# KiCad board 8851_HW-U1-VCU118_REV2-0_071417.kicad_pcb (continued)
## Routing (per net, layer and track width the routed paths; a pad name or vN(x,y) marks a point on that pad's centre or on a via; arc(x,y) is an arc through that point) (continued)
FMCP_HSPC_GBTCLK4_M2C_N: length 117.1
  TOP w0.102: 107.02,99.42 106.47,99.42 106.37,99.52 106.37,102.22 106.57,102.42 v3(107.02,102.42) ; J22.L5 v3(100.25,168.25)
  07_SIG3 w0.133: v3(107.02,102.42) 106.53,102.42 106.4,102.55 106.4,102.95 107.42,103.98 107.42,109.01 108.03,109.61 108.03,125.34 109.06,126.37 109.06,130.24 104.61,134.69 104.61,138.36 103.95,139.02 102.67,139.02 101.75,138.11 98.38,138.11 96.02,140.46 91.43,140.46 79.82,152.08 79.82,169.87 79.95,170 100.51,170 100.74,169.77 100.74,168.63 100.94,168.42 100.94,168.11 100.82,167.99 100.51,167.99 v3(100.25,168.25)
FMCP_HSPC_GBTCLK4_M2C_P: length 117.1
  TOP w0.102: 105.5,99.42 106.05,99.42 106.15,99.52 106.15,102.18 105.91,102.42 v3(105.5,102.42) ; J22.L4 v3(101.5,168.25)
  07_SIG3 w0.133: v3(105.5,102.42) 105.99,102.42 106.12,102.55 106.12,103.06 107.15,104.09 107.15,109.12 107.75,109.72 107.75,125.45 108.78,126.48 108.78,130.13 104.33,134.58 104.33,138.25 103.83,138.75 102.78,138.75 101.87,137.83 98.27,137.83 95.91,140.19 91.32,140.19 79.54,151.96 79.54,169.98 79.84,170.28 100.62,170.28 101.01,169.89 101.01,168.74 v3(101.5,168.25)
FMCP_HSPC_GBTCLK5_M2C_C_N: length 47.3
  TOP w0.102: v2(126.22,82.52) 125.73,82.03
  07_SIG3 w0.092: 104.24,88.15 104.24,88.13 104.19,88.08 104.19,86.19 104.35,86.03 107.77,86.03 108.08,85.72 108.08,78.43 108.32,78.19 125.41,78.19 125.63,78.41 125.63,81.79 125.95,82.12 126.12,82.12 126.22,82.21 v2(126.22,82.52)
  07_SIG3 w0.133: v3(105.5,97.68) 105.02,97.68 104.73,97.39 104.73,89.36 104.24,88.87 104.24,88.15
  BOTTOM w0.102: 105.5,98.43 v3(105.5,97.68)
FMCP_HSPC_GBTCLK5_M2C_C_P: length 47.3
  TOP w0.102: v2(126.22,81.54) 125.73,81.05
  07_SIG3 w0.092: v2(126.22,81.54) 126.22,81.85 126.12,81.94 126.03,81.94 125.8,81.72 125.8,78.34 125.48,78.01 108.24,78.01 107.9,78.36 107.9,85.64 107.69,85.85 104.28,85.85 104.01,86.11 104.01,88.08 103.97,88.13 103.97,88.15
  07_SIG3 w0.133: v3(103.97,97.68) 104.46,97.2 104.46,89.47 103.97,88.98 103.97,88.15
  BOTTOM w0.102: 103.97,98.43 103.94,98.41 103.94,97.71 v3(103.97,97.68)
FMCP_HSPC_GBTCLK5_M2C_N: length 80.5
  TOP w0.102: J22.Z21 v3(80.25,154.5)
  07_SIG3 w0.133: v3(105.5,100.17) 105.28,100.38 104.93,100.38 104.73,100.18 104.73,99.56 104.92,99.37 105.7,99.37 106.11,99.77 106.11,100.75 107.97,102.61 107.97,106.99 108.62,107.65 108.62,124.9 109.82,126.1 109.82,130.31 105.15,134.98 105.15,138.75 104.33,139.56 102.44,139.56 101.76,138.89 98.49,138.89 96.13,141.25 91.68,141.25 80.74,152.19 80.74,154.37 80.61,154.5 v3(80.25,154.5)
  BOTTOM w0.102: 105.5,99.42 v3(105.5,100.17)
FMCP_HSPC_GBTCLK5_M2C_P: length 80.5
  TOP w0.102: J22.Z20 v3(81.5,154.5)
  07_SIG3 w0.133: v3(81.5,154.5) 81.01,154.01 81.01,152.3 91.8,141.52 96.25,141.52 98.6,139.16 101.65,139.16 102.32,139.84 104.45,139.84 105.42,138.87 105.42,135.1 110.1,130.42 110.1,125.98 108.9,124.79 108.9,107.53 108.24,106.88 108.24,102.5 106.38,100.63 106.38,99.66 105.81,99.09 104.8,99.09 104.45,99.44 104.45,99.69 v3(103.97,100.17)
  BOTTOM w0.102: 103.97,99.42 v3(103.97,100.17)
FMCP_HSPC_H_PRSNT_M2C_B: length 187.8
  TOP w0.15: v3(104,164.5) J22.H2
  05_SIG2 w0.17: v3(45.24,75.23) 40.73,79.74 40.73,87.86 36.23,92.35 36.23,98.42 32.38,102.27 28.63,102.27 24.98,105.92 24.98,110.96 25.76,111.73 25.76,112.49 25.35,112.9 25.35,117.4 v3(25.62,117.67)
  18_SIG6 w0.087: v3(25.62,117.67) 26.35,118.4 29.77,118.4 31.02,119.65 31.02,122 34.42,125.4 34.42,129.55 37.99,133.11 37.99,134.59 39.38,135.98 39.38,139.37 38.94,139.81 38.94,145.27 40.22,146.55 45.85,146.55 50.85,151.55 v3(65.05,151.55)
  20_SIG7 w0.087: v3(106.67,167.86) 106.67,166.26 105.49,165.08 104.57,165.08 v3(104,164.5) 103.38,165.12 94.97,165.12 94.65,165.45 94.65,168.55 94.35,168.85 66.38,168.85 65.88,168.35 65.88,152.38 v3(65.05,151.55)
  BOTTOM w0.15: 46.42,75.23 v3(45.24,75.23) ; 107.37,167.86 v3(106.67,167.86) ; 25.35,116.13 25.35,117.4 v3(25.62,117.67) ; 65.31,150.94 65.31,151.29 v3(65.05,151.55)
  BOTTOM w0.375: R19.2 v3(109.06,167.86)
FMCP_HSPC_H_PRSNT_M2C_B_LS: length 127.6
  TOP w0.15: 124.74,74.16 v2(125.23,74.65)
  03_SIG1 w0.17: v3(61.65,104.47) 61.13,103.96 60.31,103.96 58.05,101.7 58.05,98 57.28,97.23 57.28,94.58 55.69,92.99 53.84,92.99 46.12,85.27 46.12,84.67 45.4,83.95 42.2,83.95 41.1,82.86 41.1,76 v3(41.87,75.23)
  BOTTOM w0.111: v2(125.23,74.65) 124.84,75.04 118.73,75.04
  BOTTOM w0.15: 118.73,75.04 118.63,75.15 118.14,75.15 117.85,75.44 117.85,75.83 117.56,76.12 117.05,76.12 116.07,77.11 110.29,77.11 110.03,77.38 110.03,77.75 109.7,78.08 109.3,78.08 108.99,78.38 108.99,78.78 108.7,79.08 108.2,79.08 108.01,79.27 108.01,79.79 107.74,80.06 107.24,80.06 107.02,80.28 107.02,80.75 106.73,81.05 106.2,81.05 106.04,81.21 106.04,81.73 105.74,82.03 105.29,82.03 105.06,82.27 105.06,82.72 104.76,83.01 104.21,83.01 104.07,83.15 104.07,83.7 103.78,84 103.25,84 103.09,84.16 103.09,89.99 97.2,95.88 97.2,100.52 96.78,100.95 88.47,100.95 86.47,102.95 63.17,102.95 v3(61.65,104.47) ; 40.67,75.23 v3(41.87,75.23)
FMCP_HSPC_HA00_CC_N: length 188.5
  TOP w0.102: v2(105.55,53.98) 106.04,54.47 ; J22.F5 v3(100.25,162)
  20_SIG7 w0.075: 135.41,88.14 135.41,88.12 135.45,88.08 135.45,84.94 135.49,84.9 135.49,83.22 135.47,83.2 135.47,73.52 135.23,73.27 125.96,73.27 125.63,72.95 125.63,69.52 125.45,69.34 122.02,69.34 121.69,69.01 121.69,48.86 121.51,48.68 105.38,48.68 105.15,48.9 105.15,54.29 105.3,54.44 105.44,54.44 105.55,54.33 v2(105.55,53.98)
  20_SIG7 w0.087: v3(100.25,162) 100.44,162.19 100.74,162.19 100.97,161.95 100.97,161.5 101.21,161.27 101.81,161.27 102.26,161.72 102.26,162.19 102.57,162.49 108.76,162.49 119.48,151.77 126.16,151.77 126.6,151.33 126.6,150.7 127.23,150.07 129.34,150.07 136.81,142.6 136.81,142.56 137.41,141.96 137.41,136.65 141.26,132.8 141.85,132.8 142.39,132.25 142.39,131.7 145.22,128.88 145.22,118.15 146.49,116.88 146.49,115.64 144.3,113.45 144.3,110.65 144.58,110.37 144.58,110.22 144.17,109.82 143.1,109.82 142.32,109.04 142.32,105.59 141.54,104.81 141.54,102.51 141.16,102.12 141.16,99.31 141.07,99.22 140,99.22 139.51,98.73 139.51,96.96 138.59,96.04 138.59,91.57 135.41,88.38 135.41,88.14
FMCP_HSPC_HA00_CC_P: length 188.5
  TOP w0.102: v2(105.55,54.96) 106.04,55.46 ; J22.F4 v3(101.5,162)
  20_SIG7 w0.075: 135.69,88.14 135.69,88.12 135.65,88.08 135.65,85.02 135.68,84.98 135.68,83.14 135.66,83.12 135.66,73.44 135.31,73.08 126.04,73.08 125.82,72.87 125.82,69.44 125.53,69.14 122.1,69.14 121.88,68.93 121.88,48.78 121.59,48.49 105.3,48.49 104.96,48.82 104.96,54.37 v2(105.55,54.96) ; 138.87,91.68 138.87,91.45 136.91,89.49
  20_SIG7 w0.087: 138.87,91.68 138.87,95.93 139.79,96.85 139.79,98.62 140.11,98.94 141.18,98.94 141.43,99.19 141.43,102 141.82,102.39 141.82,104.69 142.6,105.47 142.6,108.92 143.22,109.54 144.29,109.54 144.85,110.11 144.85,110.48 144.58,110.76 144.58,113.34 146.76,115.52 146.76,116.99 145.49,118.26 145.49,128.99 142.67,131.82 142.67,132.37 141.96,133.07 141.37,133.07 137.68,136.76 137.68,142.07 137.08,142.67 137.08,142.71 129.45,150.34 127.35,150.34 126.88,150.81 126.88,151.44 126.27,152.04 119.6,152.04 108.87,162.76 102.45,162.76 101.99,162.3 101.99,161.83 101.7,161.54 101.32,161.54 101.25,161.62 101.25,161.75 v3(101.5,162) ; 136.91,89.49 135.69,88.27 135.69,88.14
FMCP_HSPC_HA01_CC_N: length 188.2
  TOP w0.102: J22.E3 v3(102.75,160.75) ; v2(109.49,55.95) 109.98,56.44
  20_SIG7 w0.075: 134.46,88.27 134.5,88.22 134.5,84.96 134.47,84.93 134.47,82.92 134.49,82.9 134.49,74.49 134.25,74.25 124.95,74.25 124.64,73.95 124.64,70.51 124.46,70.32 121.02,70.32 120.71,70.01 120.71,49.87 120.48,49.65 106.3,49.65 106.14,49.81 106.14,55.26 106.24,55.36 106.81,55.36 107.11,55.66 107.11,56.14 107.31,56.34 109.8,56.34 110.02,56.12 110.02,55.84 109.96,55.78 109.65,55.78 v2(109.49,55.95)
  20_SIG7 w0.087: 134.46,88.27 134.46,88.73 137.65,91.92 137.65,96.33 138.62,97.3 138.62,102.19 139.97,103.54 139.97,104.62 140.86,105.51 140.86,109.92 140.35,110.43 140.35,113.29 139.9,113.74 139.9,121.69 140.67,122.45 143.63,122.45 144.12,122.94 144.12,127.91 142.58,129.45 142.58,129.88 136.55,135.91 136.55,140.46 133.03,143.98 131.73,143.98 125.38,150.33 119.13,150.33 115.11,154.35 113.88,154.35 113.79,154.26 113.79,153.36 113.55,153.11 113.06,153.11 112.81,153.36 112.81,154.26 112.72,154.35 112.46,154.35 112.37,154.26 112.37,153.36 112.12,153.11 111.63,153.11 111.38,153.36 111.38,154.26 111.29,154.35 110.45,154.35 106.22,158.58 106.22,159.52 105.75,159.99 103.74,159.99 103.3,160.43 103.3,160.88 103.19,160.99 102.99,160.99 v3(102.75,160.75)
FMCP_HSPC_HA01_CC_P: length 188.4
  TOP w0.102: v3(104,160.75) J22.E2 ; v2(110.47,55.95) 110.96,56.44
  20_SIG7 w0.075: v2(110.47,55.95) 109.88,56.54 107.23,56.54 106.92,56.23 106.92,55.74 106.73,55.56 106.16,55.56 105.94,55.34 105.94,49.73 106.22,49.45 120.56,49.45 120.9,49.79 120.9,69.93 121.1,70.13 124.54,70.13 124.84,70.43 124.84,73.87 125.03,74.06 134.34,74.06 134.68,74.41 134.68,82.98 134.66,83 134.66,84.85 134.7,84.88 134.7,88.24 134.73,88.27
  20_SIG7 w0.087: 134.73,88.27 134.73,88.62 137.92,91.81 137.92,96.22 138.9,97.19 138.9,102.08 140.24,103.43 140.24,104.51 141.14,105.4 141.14,110.03 140.62,110.55 140.62,113.4 140.18,113.85 140.18,121.57 140.78,122.18 143.74,122.18 144.39,122.83 144.39,128.02 142.85,129.56 142.85,129.99 136.82,136.03 136.82,140.58 133.14,144.26 131.84,144.26 125.5,150.61 119.24,150.61 115.23,154.62 113.77,154.62 113.52,154.37 113.52,153.47 113.43,153.38 113.17,153.38 113.08,153.47 113.08,154.37 112.83,154.62 112.34,154.62 112.09,154.37 112.09,153.47 112.01,153.38 111.74,153.38 111.66,153.47 111.66,154.37 111.41,154.62 110.56,154.62 106.49,158.69 106.49,159.63 105.86,160.26 103.85,160.26 103.58,160.54 103.58,160.66 103.66,160.75 v3(104,160.75)
FMCP_HSPC_HA02_N: length 186.7
  TOP w0.102: J22.K8 v3(96.5,167) ; v2(112.44,52.99) 112.93,53.49
  18_SIG6 w0.075: 125.14,88.29 125.13,88.27 125.13,88.24 124.66,87.77 124.66,85.98 124.63,85.95 124.63,83.2 124.66,83.16 124.66,81.04 124.64,81.02 124.64,70.53 124.43,70.31 120.05,70.31 119.72,69.99 119.72,53.81 119.5,53.59 113.13,53.59 112.9,53.35 112.9,53.09 112.8,52.99 v2(112.44,52.99)
  18_SIG6 w0.087: v3(96.5,167) 96.65,167.15 96.93,167.15 96.99,167.09 96.99,162.87 97.37,162.49 98.05,162.49 98.24,162.3 98.24,152.74 99.75,151.23 109.57,151.23 109.97,151.62 109.97,154.95 109.67,155.25 108.55,155.25 108.42,155.38 108.42,155.91 108.55,156.04 109.67,156.04 109.97,156.34 109.97,159.37 108.84,160.49 108.11,160.49 108,160.6 108,163.05 108.09,163.14 109,163.14 109.13,163.01 109.13,161.92 112.42,158.64 113.8,158.64 114.5,157.94 114.5,146.54 117.11,143.92 117.11,143 117.91,142.2 117.91,142.01 117.15,141.26 117.15,140.84 117.62,140.38 118.17,140.38 118.86,141.06 119.05,141.06 122.58,137.53 122.58,136.52 122.87,136.23 123.07,136.23 123.21,136.1 123.21,135.57 123.07,135.44 122.87,135.44 122.58,135.14 122.58,134.38 122.87,134.09 124.3,134.09 124.58,133.81 124.58,130.57 125.12,130.02 126.95,128.19 126.95,125.8 127.35,125.4 128.5,125.4 128.63,125.27 128.63,122.92 128.51,122.8 127.85,122.8 126.83,121.77 126.83,111.1 126.38,110.65 126.38,108.88 127.17,108.08 127.17,106.32 126.25,105.4 126.25,99.41 126.65,99.01 126.65,96.94 126.52,96.81 126.35,96.81 126.05,96.52 126.05,95.76 126.35,95.46 126.52,95.46 126.65,95.33 126.65,94.8 126.52,94.67 126.35,94.67 126.05,94.38 126.05,93.62 126.35,93.32 126.52,93.32 126.65,93.19 126.65,92.66 126.52,92.53 126.35,92.53 126.05,92.24 126.05,91.48 126.35,91.18 126.52,91.18 126.65,91.05 126.65,89.8 125.14,88.29
FMCP_HSPC_HA02_P: length 186.2
  TOP w0.102: J22.K7 v3(97.75,167) ; v2(113.42,52.99) 113.91,53.49
  18_SIG6 w0.075: v2(113.42,52.99) 113.17,52.99 113.09,53.07 113.09,53.27 113.21,53.39 119.58,53.39 119.92,53.73 119.92,69.91 120.13,70.12 124.51,70.12 124.84,70.45 124.84,80.94 124.86,80.96 124.86,83.24 124.82,83.28 124.82,85.87 124.86,85.9 124.86,87.69 125.25,88.08 125.32,88.08 125.34,88.1
  18_SIG6 w0.087: v3(97.75,167) 97.26,166.51 97.26,162.99 97.48,162.76 98.16,162.76 98.51,162.41 98.51,152.85 99.87,151.5 109.45,151.5 109.69,151.74 109.69,154.84 109.56,154.97 108.44,154.97 108.15,155.27 108.15,156.02 108.44,156.32 109.56,156.32 109.69,156.45 109.69,159.26 108.73,160.22 108,160.22 107.72,160.49 107.72,163.16 107.98,163.41 109.12,163.41 109.41,163.12 109.41,162.04 112.53,158.92 113.91,158.92 114.77,158.06 114.77,146.65 117.39,144.04 117.39,143.11 118.18,142.31 118.18,141.9 117.43,141.14 117.43,140.96 117.73,140.65 118.06,140.65 118.74,141.34 119.16,141.34 122.85,137.65 122.85,136.64 122.98,136.51 123.19,136.51 123.48,136.21 123.48,135.45 123.19,135.16 122.98,135.16 122.85,135.03 122.85,134.5 122.98,134.37 124.41,134.37 124.85,133.93 124.85,130.68 127.23,128.31 127.23,125.91 127.47,125.67 128.61,125.67 128.91,125.38 128.91,122.81 128.62,122.52 127.96,122.52 127.1,121.66 127.1,110.99 126.65,110.54 126.65,108.99 127.45,108.19 127.45,106.21 126.53,105.29 126.53,99.53 126.93,99.12 126.93,96.83 126.63,96.53 126.46,96.53 126.33,96.4 126.33,95.87 126.46,95.74 126.63,95.74 126.93,95.45 126.93,94.69 126.63,94.39 126.46,94.39 126.33,94.26 126.33,93.73 126.46,93.6 126.63,93.6 126.93,93.31 126.93,92.55 126.63,92.25 126.46,92.25 126.33,92.12 126.33,91.59 126.46,91.46 126.63,91.46 126.93,91.17 126.93,89.68 125.34,88.1
FMCP_HSPC_HA03_N: length 186.9
  TOP w0.102: v2(110.47,52.99) 110.96,53.49 ; J22.J7 v3(97.75,165.75)
  18_SIG6 w0.075: v2(110.47,52.99) 110.8,52.67 110.8,52.59 110.99,52.4 120.6,52.4 120.9,52.71 120.9,68.96 121.08,69.14 125.53,69.14 125.83,69.44 125.83,82.95 125.84,82.97 125.84,85.91 125.8,85.95 125.8,87.76 126.01,87.97 126.12,87.97 126.16,87.92
  18_SIG6 w0.087: v3(97.75,165.75) 98.51,166.51 99.47,166.51 99.76,166.22 99.76,153 100.31,152.45 108.52,152.45 108.76,152.69 108.76,153.56 108.6,153.71 107.62,153.71 107.24,154.09 107.24,154.69 107.11,154.82 106.46,154.82 106.16,155.11 106.16,156.12 106.43,156.39 107.09,156.39 107.31,156.61 107.31,157.74 106.78,158.26 106.78,163.88 107.26,164.36 109.94,164.36 110.35,163.95 110.35,162.58 113.1,159.83 114.6,159.83 115.73,158.7 115.73,147.23 119.17,143.79 119.17,142.98 121.74,140.41 124.43,140.41 124.8,140.04 124.8,139.37 124.51,139.08 124.3,139.08 124.16,138.94 124.16,138.59 124.47,138.28 125.48,138.28 126.42,137.35 126.42,133.3 129.6,130.11 129.6,126.17 130.51,125.26 130.51,123.05 129.11,121.65 129.11,118.51 127.97,117.37 127.97,110.98 128.38,110.58 128.38,105.74 127.4,104.76 127.4,100.14 127.88,99.65 127.88,88.94 126.87,87.92 126.16,87.92
FMCP_HSPC_HA03_P: length 187
  TOP w0.102: v2(111.45,52.99) 111.95,53.49 ; J22.J6 v3(99,165.75)
  18_SIG6 w0.075: v2(111.45,52.99) 111.08,52.99 110.99,52.91 110.99,52.67 111.07,52.6 120.51,52.6 120.71,52.79 120.71,69.04 121,69.33 125.45,69.33 125.63,69.52 125.63,83.04 125.65,83.05 125.65,85.83 125.61,85.87 125.61,87.84 125.93,88.16 126.12,88.16 126.15,88.2 126.16,88.2
  18_SIG6 w0.087: 126.16,88.2 126.76,88.2 127.61,89.05 127.61,99.54 127.12,100.02 127.12,104.88 128.1,105.85 128.1,110.46 127.7,110.86 127.7,117.49 128.84,118.63 128.84,121.76 130.24,123.16 130.24,125.15 129.33,126.06 129.33,130 126.14,133.18 126.14,137.23 125.37,138.01 124.36,138.01 123.89,138.48 123.89,139.05 124.19,139.35 124.39,139.35 124.52,139.48 124.52,139.93 124.32,140.13 121.63,140.13 118.89,142.86 118.89,143.68 115.46,147.12 115.46,158.59 114.49,159.56 112.98,159.56 110.07,162.47 110.07,163.84 109.83,164.08 107.38,164.08 107.06,163.76 107.06,158.38 107.58,157.85 107.58,156.49 107.2,156.11 106.55,156.11 106.44,156 106.44,155.23 106.57,155.1 107.22,155.1 107.52,154.8 107.52,154.21 107.74,153.99 108.72,153.99 109.03,153.67 109.03,152.58 108.63,152.18 100.2,152.18 99.49,152.88 99.49,166.11 99.35,166.24 98.63,166.24 98.37,165.98 98.37,165.23 98.45,165.14 98.82,165.14 99,165.32 v3(99,165.75)
FMCP_HSPC_HA04_N: length 186.9
  TOP w0.102: J22.F8 v3(96.5,162) ; v2(112.44,53.98) 112.93,54.47
  18_SIG6 w0.075: v2(112.44,53.98) 112.75,53.98 112.82,54.05 112.82,54.28 113.11,54.57 118.54,54.57 118.74,54.77 118.74,70.97 119.07,71.3 123.47,71.3 123.66,71.49 123.66,80.96 123.64,80.98 123.64,83.24 123.68,83.28 123.68,85.89 123.64,85.92 123.64,87.93 123.85,88.14 123.85,88.2 123.87,88.21
  18_SIG6 w0.087: v3(96.5,162) 96.9,162 96.99,161.91 96.99,152.28 98.97,150.3 106.22,150.3 106.36,150.17 106.36,147.71 106.65,147.42 107.41,147.42 107.7,147.71 107.7,150.17 107.83,150.3 108.36,150.3 108.5,150.17 108.5,147.71 108.79,147.42 109.55,147.42 109.84,147.71 109.84,150.17 109.97,150.3 110.29,150.3 110.9,150.91 110.9,157.81 111.25,158.16 111.54,158.16 112.07,157.63 112.99,157.63 113.58,157.04 113.58,145.28 114.72,144.14 115.54,144.14 116.18,143.5 116.18,142.44 116.05,142.31 115.19,142.31 114.42,143.07 113.95,143.07 113.53,142.65 113.53,139.55 113.82,139.26 114.54,139.26 114.84,139.55 114.84,140.79 115.01,140.96 116.05,140.96 116.18,140.83 116.18,139.79 116.81,139.16 119.65,139.16 121.65,137.15 121.65,130.15 122.1,129.7 122.8,129.7 123.33,130.23 123.52,130.23 123.89,129.86 123.89,129.67 122.98,128.76 122.98,128.35 123.52,127.81 123.93,127.81 124.78,128.66 124.97,128.66 125.13,128.5 125.13,128.32 124.49,127.68 124.49,126.58 125.43,125.64 125.43,124.64 125.72,124.35 127.27,124.35 127.41,124.21 127.41,123.68 127.28,123.55 125.72,123.55 125.43,123.26 125.43,108.58 126.28,107.74 126.28,106.69 125.38,105.79 125.38,99.56 125.11,99.3 125.11,89.46 123.87,88.21
FMCP_HSPC_HA04_P: length 186.9
  TOP w0.102: v2(113.42,53.98) 113.91,54.47 ; J22.F7 v3(97.75,162)
  18_SIG6 w0.075: v2(113.42,53.98) 113.11,53.98 113.02,54.07 113.02,54.2 113.19,54.38 118.62,54.38 118.93,54.69 118.93,70.89 119.15,71.11 123.55,71.11 123.86,71.41 123.86,81.04 123.84,81.06 123.84,83.16 123.87,83.2 123.87,85.97 123.84,86 123.84,87.85 123.99,88 124.05,88 124.06,88.02
  18_SIG6 w0.087: v3(97.75,162) 97.51,162 97.26,161.75 97.26,152.4 99.08,150.58 106.34,150.58 106.63,150.28 106.63,147.83 106.76,147.7 107.29,147.7 107.43,147.83 107.43,150.28 107.72,150.58 108.48,150.58 108.77,150.28 108.77,147.83 108.9,147.7 109.43,147.7 109.57,147.83 109.57,150.28 109.86,150.58 110.18,150.58 110.63,151.02 110.63,157.92 111.14,158.43 111.66,158.43 112.19,157.9 113.1,157.9 113.85,157.15 113.85,145.39 114.83,144.41 115.66,144.41 116.46,143.61 116.46,142.33 116.17,142.03 115.07,142.03 114.31,142.8 114.07,142.8 113.8,142.54 113.8,139.66 113.94,139.53 114.43,139.53 114.56,139.66 114.56,140.91 114.9,141.24 116.17,141.24 116.46,140.95 116.46,139.9 116.93,139.43 119.76,139.43 121.93,137.27 121.93,130.26 122.21,129.97 122.68,129.97 123.22,130.51 123.63,130.51 124.17,129.97 124.17,129.56 123.26,128.65 123.26,128.46 123.63,128.08 123.82,128.08 124.67,128.94 125.08,128.94 125.4,128.62 125.4,128.2 124.77,127.57 124.77,126.69 125.71,125.76 125.71,124.76 125.84,124.62 127.38,124.62 127.68,124.32 127.68,123.56 127.39,123.28 125.84,123.28 125.71,123.15 125.71,108.69 126.55,107.85 126.55,106.58 125.65,105.67 125.65,99.45 125.39,99.18 125.39,89.34 124.06,88.02
FMCP_HSPC_HA05_N: length 189.8
  TOP w0.102: J22.E7 v3(97.75,160.75) ; v2(106.53,54.96) 107.02,55.46
  20_SIG7 w0.075: 132.77,88.3 132.77,88.19 132.73,88.15 132.73,84.97 132.69,84.94 132.69,83.09 132.71,83.08 132.71,76.36 132.38,76.03 123.08,76.03 122.87,75.82 122.87,72.42 122.54,72.09 119.12,72.09 118.93,71.91 118.93,51.72 118.63,51.42 108.19,51.42 107.91,51.7 107.91,53.23 107.75,53.39 107.18,53.39 106.93,53.64 106.93,54.89 106.85,54.96 v2(106.53,54.96)
  20_SIG7 w0.087: 132.77,88.3 132.77,89.24 136.03,92.51 136.03,98.96 136.82,99.75 136.82,108.58 136.34,109.06 136.34,109.74 138.18,111.59 138.18,124.39 137.32,125.25 137.32,130.37 134.56,133.14 134.56,139.11 124.78,148.88 116.67,148.88 116.59,148.97 116.59,150.49 116.34,150.74 115.85,150.74 115.6,150.49 115.6,148.97 115.51,148.88 115.25,148.88 115.16,148.97 115.16,150.49 114.91,150.74 114.42,150.74 114.17,150.49 114.17,148.97 114.09,148.88 113.82,148.88 113.74,148.97 113.74,150.49 113.49,150.74 113,150.74 112.75,150.49 112.75,148.97 112.66,148.88 112.4,148.88 112.31,148.97 112.31,150.49 112.06,150.74 111.57,150.74 111.32,150.49 111.32,148.97 111.24,148.88 110.84,148.88 108.23,151.49 107.89,151.49 107.78,151.49 105.31,151.49 105.18,151.36 105.02,151.2 105.02,150.85 105.02,150.62 104.89,150.49 104.36,150.49 104.23,150.62 104.23,151.19 103.93,151.49 98.3,151.49 97.26,152.53 97.26,160.87 97.59,161.19 98.01,161.19 98.24,160.96 98.24,160.84 98.15,160.75 v3(97.75,160.75)
FMCP_HSPC_HA05_P: length 189.9
  TOP w0.102: J22.E6 v3(99,160.75) ; v2(107.52,54.96) 108.01,55.46
  20_SIG7 w0.075: 132.54,88.23 132.54,85.05 132.5,85.02 132.5,83.01 132.51,82.99 132.51,76.45 132.29,76.22 123,76.22 122.67,75.9 122.67,72.5 122.46,72.29 119.04,72.29 118.74,71.99 118.74,51.8 118.55,51.62 108.28,51.62 108.11,51.79 108.11,53.31 107.83,53.58 107.26,53.58 107.12,53.72 107.12,54.57 v2(107.52,54.96)
  20_SIG7 w0.087: v3(99,160.75) 98.6,160.75 98.51,160.84 98.51,161.08 98.12,161.47 97.47,161.47 96.99,160.98 96.99,152.41 98.19,151.21 103.82,151.21 103.95,151.08 103.95,150.5 104.24,150.21 105,150.21 105.3,150.5 105.3,150.97 105.3,151.08 105.43,151.21 107.89,151.21 108,151.21 108,151.21 108.12,151.21 110.72,148.61 111.35,148.61 111.6,148.86 111.6,150.38 111.69,150.47 111.95,150.47 112.04,150.38 112.04,148.86 112.29,148.61 112.78,148.61 113.02,148.86 113.02,150.38 113.11,150.47 113.37,150.47 113.46,150.38 113.46,148.86 113.71,148.61 114.2,148.61 114.45,148.86 114.45,150.38 114.54,150.47 114.8,150.47 114.89,150.38 114.89,148.86 115.14,148.61 115.63,148.61 115.87,148.86 115.87,150.38 115.96,150.47 116.22,150.47 116.31,150.38 116.31,148.86 116.56,148.61 124.67,148.61 134.28,138.99 134.28,133.02 137.05,130.26 137.05,125.14 137.91,124.27 137.91,111.7 136.06,109.86 136.06,108.95 136.55,108.46 136.55,99.86 135.76,99.07 135.76,92.62 132.5,89.36 132.5,88.27 132.54,88.23
FMCP_HSPC_HA06_N: length 188.4
  TOP w0.102: v2(108.5,53.98) 108.99,54.47 ; J22.K11 v3(92.75,167)
  18_SIG6 w0.075: v2(108.5,53.98) 108.82,53.98 108.9,54.05 108.9,55.22 109.2,55.53 109.67,55.53 109.88,55.74 109.88,56.28 110.13,56.53 110.65,56.53 110.87,56.75 110.87,57.19 111.2,57.52 115.61,57.52 115.82,57.73 115.82,73.49 116.59,74.26 120.47,74.26 120.71,74.49 120.71,81.04 120.72,81.06 120.72,83.14 120.69,83.17 120.69,86.08 120.72,86.12 120.72,88.19 120.69,88.23 120.69,88.25
  18_SIG6 w0.087: v3(92.75,167) 93.24,166.51 93.24,150.88 93.04,150.68 80.63,150.68 79.95,150 79.95,148.49 79.66,148.2 76.75,148.2 76.42,147.88 76.42,147.25 76.7,146.97 81.24,146.97 81.54,147.27 81.54,148.87 81.67,149 82.2,149 82.33,148.87 82.33,147.27 82.63,146.97 83.38,146.97 83.68,147.27 83.68,148.87 83.81,149 84.34,149 84.47,148.87 84.47,147.27 84.77,146.97 85.52,146.97 85.82,147.27 85.82,148.87 85.95,149 86.48,149 86.61,148.87 86.61,147.27 86.91,146.97 87.66,146.97 87.96,147.27 87.96,148.73 88.18,148.95 88.45,148.95 88.75,148.65 88.75,147.27 89.05,146.97 94.33,146.97 96.66,144.65 100.05,144.65 114.64,130.05 115.91,130.05 121.47,124.5 121.47,123.73 122.55,122.65 122.55,103.39 122.18,103.03 122.18,90.46 120.69,88.97 120.69,88.25
FMCP_HSPC_HA06_P: length 188.4
  TOP w0.102: J22.K10 v3(94,167) ; v2(109.49,53.98) 109.98,54.47
  18_SIG6 w0.075: v2(109.49,53.98) 109.17,53.98 109.09,54.05 109.09,55.14 109.28,55.33 109.75,55.33 110.07,55.66 110.07,56.2 110.21,56.33 110.73,56.33 111.06,56.67 111.06,57.11 111.28,57.33 115.69,57.33 116.02,57.65 116.02,73.41 116.67,74.06 120.56,74.06 120.9,74.41 120.9,80.96 120.92,80.98 120.92,83.22 120.89,83.25 120.89,86 120.92,86.04 120.92,88.18 120.97,88.23 120.97,88.25
  18_SIG6 w0.087: v3(94,167) 93.51,166.51 93.51,150.76 93.15,150.4 80.74,150.4 80.22,149.89 80.22,148.37 79.78,147.93 76.86,147.93 76.7,147.76 76.7,147.36 76.81,147.25 81.13,147.25 81.26,147.38 81.26,148.98 81.56,149.27 82.31,149.27 82.61,148.98 82.61,147.38 82.74,147.25 83.27,147.25 83.4,147.38 83.4,148.98 83.7,149.27 84.45,149.27 84.75,148.98 84.75,147.38 84.88,147.25 85.41,147.25 85.54,147.38 85.54,148.98 85.84,149.27 86.59,149.27 86.89,148.98 86.89,147.38 87.02,147.25 87.55,147.25 87.68,147.38 87.68,148.84 88.07,149.23 88.56,149.23 89.03,148.76 89.03,147.38 89.16,147.25 94.45,147.25 96.77,144.92 100.16,144.92 114.76,130.33 116.03,130.33 121.74,124.61 121.74,123.85 122.82,122.77 122.82,103.28 122.46,102.92 122.46,90.34 120.97,88.85 120.97,88.25
FMCP_HSPC_HA07_N: length 186.9
  TOP w0.102: v2(112.44,54.96) 112.93,55.46 ; J22.J10 v3(94,165.75)
  18_SIG6 w0.075: 123.29,89.12 123.26,89.12 123.23,89.09 123.02,89.09 122.56,88.64 122.56,87.97 122.69,87.84 122.69,86.08 122.66,86.04 122.66,83.2 122.69,83.16 122.69,81.01 122.67,80.99 122.67,72.46 122.5,72.28 118.09,72.28 117.75,71.95 117.75,55.77 117.53,55.55 113.05,55.55 112.84,55.34 112.84,55.06 112.75,54.96 v2(112.44,54.96)
  18_SIG6 w0.087: 123.29,89.12 123.63,89.12 124.06,89.55 124.06,101.85 124.29,102.08 124.29,105.94 125.3,106.95 125.3,107.49 124.4,108.39 124.4,125.41 120.35,129.46 120.35,131.39 120.73,131.76 120.73,134.99 120.59,135.12 119.74,135.12 119.44,135.42 119.44,136.18 119.74,136.47 120.59,136.47 120.73,136.6 120.73,136.78 119.34,138.17 119.33,138.17 112.94,138.17 112.61,138.51 112.61,140.42 112.47,140.55 111.73,140.55 111.44,140.85 111.44,141.6 111.73,141.9 112.47,141.9 112.61,142.03 112.61,142.56 112.47,142.69 111.73,142.69 111.44,142.99 111.44,143.74 111.73,144.04 112.47,144.04 112.61,144.17 112.61,144.7 112.47,144.83 111.73,144.83 111.44,145.13 111.44,145.88 111.73,146.18 112.47,146.18 112.61,146.31 112.61,156.52 112.41,156.72 112.05,156.72 111.85,156.52 111.85,148.05 110.3,146.5 105.1,146.5 104.81,146.8 104.81,149.21 104.68,149.34 104.15,149.34 104.02,149.21 104.02,146.8 103.72,146.5 102.96,146.5 102.67,146.8 102.67,149.21 102.54,149.34 102.01,149.34 101.88,149.21 101.88,146.8 101.58,146.5 100.54,146.5 99.96,147.09 99.96,148.52 99.09,149.39 96.85,149.39 95.74,150.5 95.74,161.03 95.53,161.24 94.93,161.24 94.49,161.69 94.49,165.74 94.35,165.88 94.12,165.88 v3(94,165.75)